# Altium PCB PCB1.PcbDoc (part 2 of 2)
Units mm, origin at the board's own origin, x right, y up, seen from the top; angles counter-clockwise.
Board outline 129.41 x 66.42 mm, 4 copper layers (Top Layer, gnd, pgnd, Bottom Layer), stack 0.603 mm thick; 116 components, 94 nets, 393 pads, 106 vias.
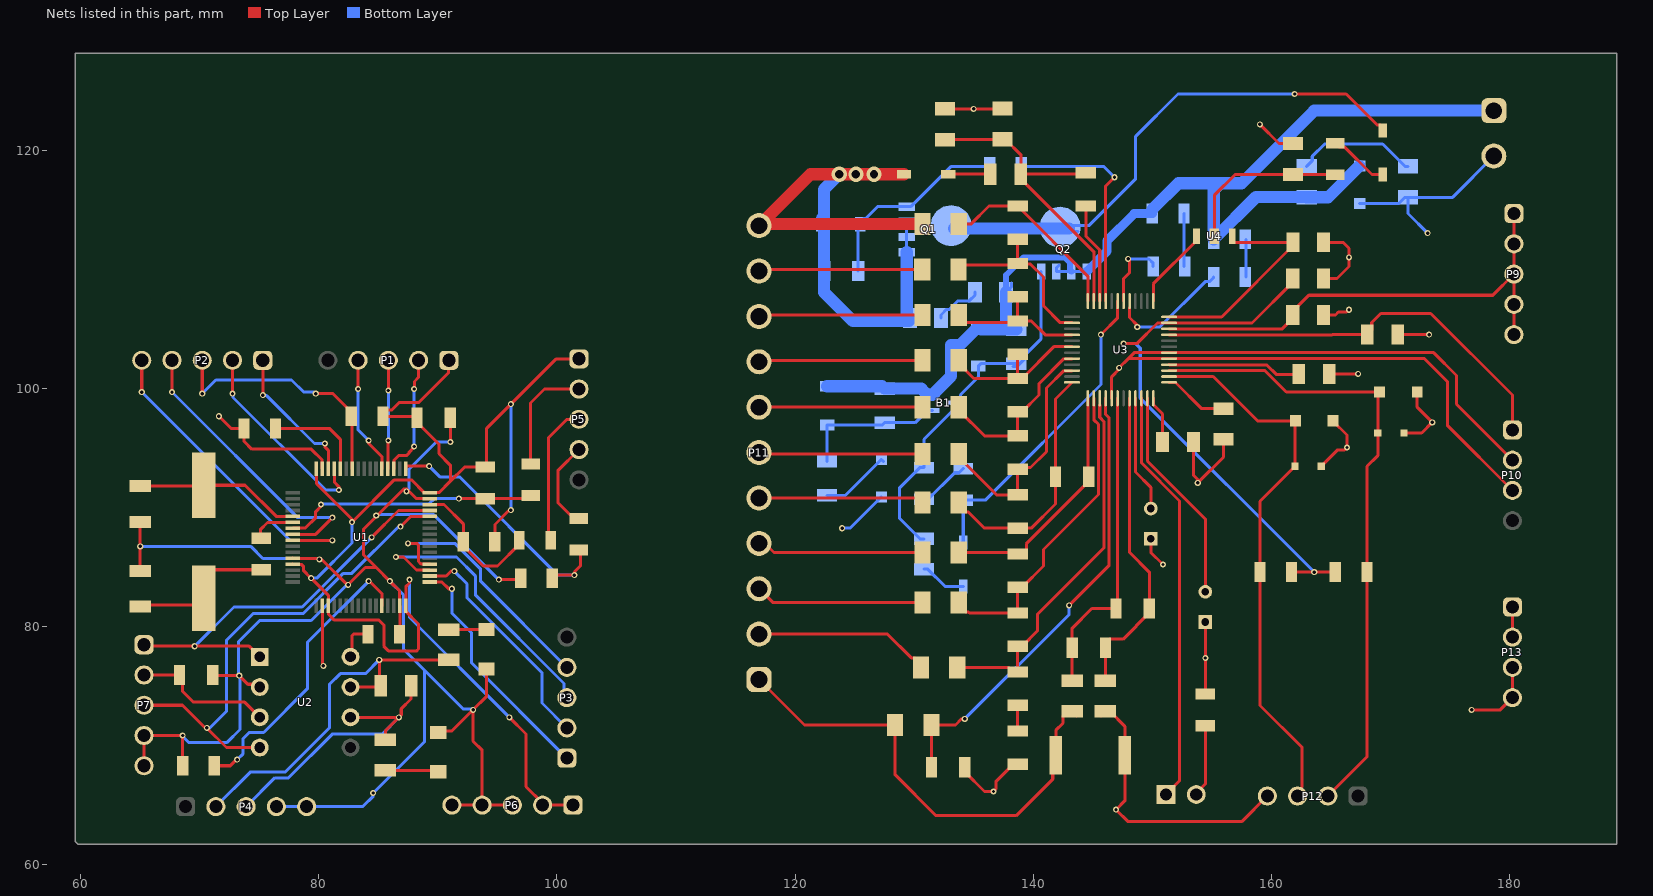
[diagram p4: the nets of this part, all layers, seen from the top]

## Via types
v1: diameter 0.508, hole 0.284, Top Layer to Bottom Layer, 78 vias
v2: diameter 1.27, hole 1.27, Top Layer to Bottom Layer, 25 vias
v3: diameter 1.27, hole 0.711, Top Layer to Bottom Layer, 3 vias

## Nets (pads, with @x,y where several pads share a name; then routed paths per layer and width w, separated by ;. In a path a pad name is that pad's centre, name@x,y a point inside that pad or via, vN(x,y) a via of type N, cw(c..) or ccw(c..) an arc to the next point about the centre after c; other vN are vias at no path point)
GND: C1.1 C2.2 C3.2 C4.2 C5.2 C6.1 C11.2 C13.1 C14.1 C15.1 C18.2 C19.1 C21.1 C31.2 C32.2 P4.4 P4.5 P6.3 P6.4 P6.5 P7.4 P7.5 P10.2 P10.3 P13.1 P13.2 P13.3 P13.4 R1.1 R4.1 R9.1 R14.1 R30.2 R33.2 R36.1 R39.1 R45.2 R50.1 U1.12 U1.18 U1.31 U1.47 U1.63 U2.2 U3.17 U3.29 U3.30 | length 313.3
  Top Layer w0.254: C3.2@65.024,84.812 v1(65.024,86.741) C2.2@65.024,88.797 ; P7.5@65.343,68.326 P7.4@65.343,70.866 v1(68.58,70.866) 68.58,68.341 R4.1@68.595,68.326 ; C6.1@71.123,75.946 71.181,75.888 v1(73.337,75.888) 74.057,75.168 74.819,75.168 U2.2@75.057,74.93 ; v1(71.628,97.663) 72.644,96.647 R1.1@73.731,96.647 73.731,95.56 74.393,94.898 79.384,94.898 80.293,93.988 80.293,93.276 U1.63@80.316,93.253 ; U1.12@77.816,85.753 77.839,85.73 79.993,85.73 80.03,85.693 v1(80.068,85.656) ; v1@80.068,85.73 80.187,85.73 82.4,83.517 v1(82.472,83.517) 83.918,84.963 84.836,84.963 ; U1.18@80.316,81.753 80.339,81.73 80.339,76.76 v1(80.391,76.708) ; v1(84.836,89.335) 84.836,89.244 83.747,88.155 83.747,86.052 84.836,84.963 ; v1@84.881,89.29 87.159,91.567 87.376,91.567 v1@87.477,91.466 ; R9.1@86.796,79.375 86.816,79.395 U1.31@86.816,81.753 86.793,81.776 86.793,83.006 v1(85.979,83.82) 84.836,84.963 ; v1(87.376,91.364) v1@87.477,91.466 ; U1.47@89.316,90.753 88.19,90.753 v1@87.477,91.466 ; C4.2@90.043,71.246 91.185,71.246 v1(92.964,73.025) ; v1(91.059,95.504) C1.1@91.059,97.536 C1.1@91.059,97.911 ; P6.5@91.186,65.024 P6.4@93.726,65.024 ; P6.4@93.726,65.005 P6.4@93.726,65.024 ; C5.2@94.107,76.456 94.107,74.168 v1(92.964,73.025) ; v1(95.123,83.947) 96.845,83.947 R14.1@96.972,84.074 ; P6.3@96.266,65.024 P6.4@93.726,65.024 ; C13.1@132.588,123.474 v1(134.986,123.474) 137.383,123.474 C11.2@137.414,123.505 ; C31.2@134.242,68.199 134.242,67.824 135.899,66.167 v1(136.652,66.167) 136.846,66.361 136.846,66.984 138.309,68.447 C32.2@138.684,68.447 ; U3.17@146.57,99.176 146.57,100.977 147.193,101.6 v1(147.193,101.727) 147.967,102.501 ; R36.1@149.86,87.376 149.86,86.233 v1(150.876,85.217) ; C15.1@153.446,95.504 153.446,92.701 153.797,92.35 v1(153.797,92.075) 155.956,94.234 R45.2@155.956,95.753 ; R50.1@154.432,74.351 v1(154.432,77.371) R39.1@154.432,80.391 ; v1(159.004,122.174) 160.625,120.553 C14.1@161.798,120.553 ; C18.2@164.344,112.268 165.989,112.268 166.497,111.76 v1(166.497,110.998) 166.497,110.236 165.481,109.22 C19.1@164.368,109.22 ; C21.1@164.368,106.172 165.354,106.172 165.595,106.413 166.303,106.413 v1(166.497,106.607) ; R33.2@164.846,101.219 v1(167.259,101.219) ; R30.2@170.566,104.521 v1(173.228,104.521) ; v1(176.784,73.025) 179.197,73.025 P13.4@180.213,74.041 P13.3@180.213,76.581 ; P13.2@180.213,79.121 P13.1@180.213,81.661 ; P10.3@180.213,91.44 174.752,96.901 174.752,100.584 172.835,102.501 U3.29@151.395,102.501 147.967,102.501 ; P10.2@180.213,93.98 175.514,98.679 175.514,101.092 173.605,103.001 U3.30@151.395,103.001 148.467,103.001 147.967,102.501 ; v1(92.964,73.025) 92.964,70.391 93.726,69.629 P6.4@93.726,65.024
  Bottom Layer w0.254: v1(65.024,86.741) 74.295,86.741 75.311,85.725 79.998,85.725 v1(80.068,85.656) ; v1(68.58,70.866) 68.58,70.797 68.903,70.475 68.903,70.47 69.082,70.291 72.323,70.291 73.394,71.362 73.394,75.831 v1(73.337,75.888) 73.279,75.946 73.279,78.74 75.057,80.518 79.375,80.518 82.374,83.517 v1(82.472,83.517) ; P4.4@76.454,64.897 P4.5@78.994,64.897 83.714,64.897 84.582,65.765 v1(84.582,66.04) 88.9,70.358 88.9,76.291 ; v1(84.836,89.335) 84.909,89.408 89.662,89.408 v1(95.123,83.947) ; v1(85.979,83.82) 87.122,82.677 87.122,78.13 ; 87.122,78.105 92.119,73.108 92.881,73.108 v1(92.964,73.025) ; v1(87.376,91.364) 87.57,91.558 87.57,93.195 89.879,95.504 v1(91.059,95.504)
NetB1_1: B1.1 D2.1 R17.1 R20.2 | length 12.4
  Bottom Layer w0.254: R20.2@122.682,93.883 D2.1@122.682,96.917 127.3,96.917 R17.1@127.508,97.125 130.08,97.125 131.111,98.156 B1.1@131.511,98.156
NetB1_2: B1.2 C8.2 C9.2 D1.2 D2.2 D4.2 P8.1 Q2.1 Q2.2 Q2.3 R16.2 R17.2 R18.2 R19.2 | length 96.8
  Bottom Layer w0.254: R17.2@127.3,100.187 R17.2@127.508,99.979 ; B1.2@131.111,99.456 B1.2@131.423,99.456 ; D1.2@135.382,105.14 D1.2@135.59,104.932 ; C8.2@137.698,108.077 138.173,108.552 C8.2@138.173,108.834 ; Q2.3@142.151,110.345 141.922,110.117 Q2.3@141.922,109.81 Q2.2@143.192,109.81 Q2.1@144.463,109.81 ; R18.2@149.987,114.681 R18.2@149.987,115.032 ; R19.2@154.787,113.191 155.138,112.84 R19.2@155.138,112.522 ; C9.2@162.911,116.078 C9.2@162.941,116.048 ; D4.2@167.361,118.669 D4.2@167.386,118.669
  Bottom Layer w0.508: C8.2@137.698,108.077 137.698,109.504 139.192,110.998 142.621,110.998 143.091,110.528 143.091,109.911 Q2.2@143.192,109.81
  Bottom Layer w0.762: Q2.1@144.463,109.81 146.177,111.524 146.177,112.395 148.463,114.681 R18.2@149.987,114.681
  Bottom Layer w1.016: D2.2@122.682,100.187 R17.2@127.3,100.187 ; R17.2@127.508,99.979 130.588,99.979 B1.2@131.111,99.456 ; B1.2@131.511,99.456 133.096,101.041 133.096,103.632 133.825,103.632 135.333,105.14 D1.2@135.382,105.14 ; D1.2@135.59,104.932 R16.2@138.557,104.932 137.698,105.791 C8.2@137.698,108.077 ; R18.2@149.987,115.032 152.176,117.221 155.733,117.221 ; R19.2@155.138,112.522 158.694,116.078 C9.2@162.911,116.078 ; R19.2@155.138,112.84 155.138,116.626 155.733,117.221 ; C9.2@162.941,116.048 164.74,116.048 D4.2@167.361,118.669 ; P8.1@178.651,123.317 163.576,123.317 157.48,117.221 155.733,117.221
NetB1_3: B1.3 D1.1 Q2.4 R16.1 R24.2 R25.2 | length 31.1
  Bottom Layer w0.254: R25.2@130.81,87.376 130.485,87.376 128.778,89.083 128.778,91.664 130.459,93.345 R24.2@130.81,93.345 130.81,95.731 133.455,98.376 B1.3@133.455,98.806 ; B1.3@133.411,98.806 133.811,98.806 133.884,98.879 133.884,99.462 135.382,100.96 D1.1@135.382,101.87 135.59,102.078 R16.1@138.557,102.078 ; R16.1@138.304,101.825 138.61,101.825 139.265,102.48 139.265,102.786 140.653,104.174 Q2.4@140.653,109.81
NetC1_2: C1.2 P1.1 P5.1 P6.1 P6.2 R2.2 R5.1 R7.2 U1.13 U1.19 U1.32 U1.48 U1.64 | length 118.3
  Top Layer w0.254: U1.13@77.816,85.253 77.839,85.23 78.551,85.23 78.743,85.038 78.743,84.693 v1@79.308,84.128 ; v1(79.375,84.074) 80.816,82.633 U1.19@80.816,81.753 80.839,81.73 80.839,81.018 81.279,80.577 85.031,80.577 85.471,80.137 85.471,78.359 85.852,77.978 88.243,77.978 88.392,78.127 88.392,80.227 87.316,81.303 U1.32@87.316,81.753 87.316,83.358 87.63,83.672 v1(87.63,83.947) ; U1.64@79.816,93.253 79.816,92.002 82.804,89.014 v1(82.804,88.773) 86.357,92.326 87.101,92.326 87.793,92.326 88.866,91.253 U1.48@89.316,91.253 90.11,91.253 91.059,92.202 ; P1.1@90.932,102.362 91.059,102.235 90.916,102.092 90.916,101.33 88.392,98.806 86.741,98.806 86.11,98.175 85.751,98.175 85.4,97.824 R2.2@85.4,97.663 88.132,97.663 C1.2@88.259,97.536 88.259,97.161 90.097,95.323 90.097,94.524 91.059,93.562 91.059,92.202 ; R5.1@93.319,93.218 R5.1@93.502,93.401 ; R5.1@93.98,93.401 R5.1@93.502,93.401 ; R7.2@94.798,87.122 94.798,88.578 v1@96.007,89.787 ; v1(96.012,72.39) 97.406,70.996 97.406,66.57 98.806,65.17 P6.2@98.806,65.024 P6.1@101.346,65.024 P6.1@101.473,65.024 ; P5.1@101.854,102.489 99.949,102.489 v1(96.139,98.679) 94.107,96.647 94.107,93.655 93.756,93.655 R5.1@93.502,93.401 ; 91.059,92.202 92.258,93.401 R5.1@93.502,93.401
  Bottom Layer w0.254: v1(79.375,84.074) 79.846,84.074 82.804,87.032 v1(82.804,88.773) ; v1(87.63,83.947) 87.63,80.772 v1(96.012,72.39) ; v1(96.139,89.787) v1(96.139,98.679)
NetC2_1: C2.1 U1.5 X1.2 | length 13.9
  Top Layer w0.254: C2.1@65.024,91.797 70.283,91.797 X1.2@70.358,91.872 73.825,91.872 76.436,89.261 U1.5@77.816,89.261
NetC3_1: C3.1 R3.1 X1.1 | length 12.3
  Top Layer w0.254: C3.1@65.024,81.812 69.798,81.812 X1.1@70.358,82.372 70.358,83.907 71.231,84.78 R3.1@75.184,84.78
NetC4_1: C4.1 R11.2 | length 4.4
  Top Layer w0.254: R11.2@85.598,67.94 C4.1@90.043,67.94
NetC5_1: C5.1 R12.2 | length 3.2
  Top Layer w0.254: R12.2@90.932,79.756 C5.1@94.107,79.756
NetC6_2: C6.2 P7.2 U2.3 | length 12
  Top Layer w0.254: P7.2@65.027,75.946 P7.2@65.343,75.946 ; P7.2@65.659,75.946 P7.2@65.343,75.946 ; 67.815,75.946 P7.2@65.343,75.946 ; C6.2@68.323,75.946 68.58,75.689 68.58,74.571 69.491,73.66 73.787,73.66 U2.3@75.057,72.39
NetC7_1: C7.1 D3.2 D8.1 P11.11 Q1.1 Q1.2 Q1.3 R15.2 R29.1 | length 54.8
  Top Layer w1.016: P11.11@116.967,113.665 P11.11@117.094,113.792 ; P11.11@116.967,113.792 P11.11@117.094,113.792 ; D8.1@129.142,117.983 v3(126.619,117.983) v3(125.095,117.983) v3(123.698,117.983) 121.285,117.983 P11.11@117.094,113.792 ; R29.1@130.679,113.792 P11.11@117.094,113.792
  Bottom Layer w0.254: C7.1@129.368,106.187 C7.1@129.637,105.918 ; Q1.1@129.368,111.442 Q1.2@129.368,112.712 Q1.3@129.368,113.983
  Bottom Layer w1.016: D3.2@122.19,113.743 122.428,113.505 R15.2@122.428,109.855 122.428,108.077 124.841,105.664 129.543,105.664 129.637,105.758 C7.1@129.637,105.918 ; D3.2@122.19,113.792 122.243,113.845 122.243,114.267 122.428,114.452 122.428,116.713 v3(123.698,117.983) ; C7.1@129.368,106.187 Q1.1@129.368,111.442
NetC7_2: C7.2 C8.1 | length 4
  Bottom Layer w0.254: C7.2@132.237,105.918 132.237,106.169 132.712,106.644 132.963,106.644 133.67,107.351 134.623,107.351 135.098,107.826 C8.1@135.098,108.077
NetC9_1: C9.1 C10.2 | length 10.3
  Bottom Layer w0.254: C9.1@162.941,118.648 163.408,119.115 163.408,119.482 164.449,120.523 169.324,120.523 171.199,118.648 C10.2@171.45,118.648
NetC11_1: C11.1 C12.1 C13.2 R28.2 U3.47 | length 27.2
  Top Layer w0.254: C13.2@132.588,120.904 C11.1@137.414,120.904 137.665,120.904 138.943,119.626 R28.2@138.943,117.983 ; C12.1@144.399,118.116 144.266,117.983 R28.2@138.943,117.983 ; U3.47@145.07,107.326 145.07,111.481 138.943,117.608 R28.2@138.943,117.983
NetC12_2: C12.2 U3.46 | length 8.5
  Top Layer w0.254: C12.2@144.399,115.316 144.399,112.794 145.57,111.623 U3.46@145.57,107.326
NetC14_2: C14.2 R27.1 U4.2 | length 14.3
  Top Layer w0.254: U4.2@155.194,112.777 155.194,116.205 156.942,117.953 C14.2@161.798,117.953 165.329,117.953 R27.1@165.354,117.928
NetC15_2: C15.2 U3.24 | length 4
  Top Layer w0.254: U3.24@150.07,99.176 150.07,98.646 150.846,97.87 C15.2@150.846,95.504
NetC16_1: C16.1 R29.2 U3.48 | length 16.4
  Top Layer w0.254: R29.2@133.731,113.792 134.747,113.792 136.273,115.317 C16.1@138.68,115.317 ; C16.1@139.055,115.317 C16.1@138.68,115.317 ; U3.48@144.57,107.326 144.57,109.428 C16.1@138.68,115.317
NetC16_2: C16.2 C17.1 R31.2 U3.2 | length 15.9
  Top Layer w0.254: R31.2@134.232,109.475 R31.2@133.727,109.98 134.111,110.364 C17.1@138.684,110.364 ; C16.2@138.68,112.517 C17.1@138.68,110.491 138.745,110.427 139.763,110.427 140.843,109.347 140.843,106.934 142.255,105.522 U3.2@143.245,105.522
NetC17_2: C17.2 C20.1 R32.2 U3.4 | length 13.1
  Top Layer w0.254: R32.2@134.235,106.675 R32.2@133.73,106.17 133.73,106.09 134.281,105.538 138.558,105.538 C20.1@138.684,105.664 ; C17.2@138.68,107.691 C20.1@138.68,105.665 139.826,105.665 140.99,104.501 U3.4@143.245,104.501
NetC18_1: C18.1 U3.36 U4.3 | length 18.7
  Top Layer w0.254: U3.36@151.395,106.001 155.801,106.001 161.792,111.992 C18.1@161.792,112.268 156.842,112.268 156.694,112.416 U4.3@156.694,112.777
NetC19_2: C19.2 R41.2 R42.2 U3.35 | length 46.7
  Top Layer w0.254: v1(147.574,103.759) 148.68,103.759 150.422,105.501 158.349,105.501 161.768,108.92 C19.2@161.768,109.22 ; R42.2@161.671,84.582 v1(163.576,84.582) R41.2@165.354,84.582
  Bottom Layer w0.254: v1(147.574,103.759) 148.59,103.759 148.971,103.378 148.971,99.187 v1(163.576,84.582)
NetC20_2: C20.2 C22.1 R34.2 U3.6 | length 14.1
  Top Layer w0.254: R34.2@134.241,101.849 R34.2@133.73,102.36 133.73,102.109 135.001,100.838 C22.1@138.684,100.838 ; C20.2@138.68,102.865 138.684,102.862 C22.1@138.684,100.841 139.059,100.841 141.719,103.501 U3.6@143.245,103.501
NetC21_2: C21.2 P9.1 P9.2 P9.3 P9.4 P9.5 U3.34 | length 41.4
  Top Layer w0.254: U3.34@151.395,105.001 160.897,105.001 161.768,105.872 C21.2@161.768,106.172 161.768,106.472 163.119,107.823 178.562,107.823 P9.3@180.34,109.601 ; P9.5@180.34,104.521 P9.1@180.34,114.681
NetC22_2: C22.2 C23.1 R35.2 U3.8 | length 15.1
  Top Layer w0.254: R35.2@133.733,98.425 133.733,98.174 135.889,96.018 C23.1@138.684,96.018 C22.2@138.684,98.041 139.059,98.041 140.462,99.444 140.462,100.403 142.54,102.48 U3.8@143.245,102.48
NetC23_2: C23.2 C24.1 R37.2 U3.10 | length 19.8
  Top Layer w0.254: R37.2@133.733,94.488 133.733,94.237 136.905,91.065 C24.1@138.684,91.065 C23.2@138.684,93.218 138.826,93.36 139.766,93.36 141.097,94.691 141.097,100.038 142.54,101.48 U3.10@143.245,101.48
NetC24_2: C24.2 C25.1 R40.2 U3.12 | length 20.8
  Top Layer w0.254: R40.2@133.735,90.424 133.735,90.173 134.286,89.622 134.537,89.622 135.894,88.265 C24.2@138.684,88.265 139.827,88.265 141.859,90.297 141.859,92.583 141.859,99.115 U3.12@143.245,100.501
NetC25_2: C25.2 C28.1 R44.2 U3.13 | length 20.8
  Top Layer w0.254: R44.2@133.731,86.233 138.56,86.233 C28.1@138.684,86.109 139.059,86.109 139.407,86.457 139.407,86.959 144.656,92.208 C25.2@144.656,92.583 ; U3.13@144.57,99.176 144.57,92.71 C25.2@144.697,92.583
NetC26_1: C26.1 C27.1 R47.2 U3.18 | length 26.5
  Top Layer w0.254: R47.2@143.256,75.443 143.253,75.446 C27.1@143.253,78.232 143.253,79.88 144.907,81.534 C26.1@146.936,81.534 147.07,81.668 U3.18@147.07,99.176
NetC26_2: C26.2 C27.2 R38.2 U3.20 | length 26.6
  Top Layer w0.254: R38.2@146.05,75.443 146.053,75.446 C27.2@146.053,78.232 146.053,78.607 146.401,78.955 147.532,78.955 149.736,81.159 C26.2@149.736,81.534 149.736,84.579 148.07,86.245 U3.20@148.07,99.176
NetC28_2: C28.2 C29.1 R46.2 U3.14 | length 26.7
  Top Layer w0.254: R46.2@133.731,82.042 133.731,81.791 134.282,81.24 134.533,81.24 134.617,81.156 C29.1@138.684,81.156 C28.2@138.684,83.309 139.059,83.309 140.843,85.093 140.843,86.481 145.458,91.096 145.458,96.982 145.07,97.37 U3.14@145.07,99.176
NetC29_2: C29.2 C30.1 R48.2 U3.15 | length 31
  Top Layer w0.254: R48.2@133.604,76.581 137.931,76.581 138.309,76.203 C30.1@138.684,76.203 C29.2@138.684,78.356 139.059,78.356 140.335,79.632 140.335,81.02 145.912,86.597 145.912,97.23 145.57,97.572 U3.15@145.57,98.625
NetC30_2: C30.2 C32.1 | length 2.2
  Top Layer w0.254: C32.1@138.684,71.247 C30.2@138.684,73.403
NetC31_1: C31.1 R49.2 U3.16 | length 38.6
  Top Layer w0.254: C31.1@131.442,68.199 131.447,68.204 R49.2@131.447,71.755 133.456,71.755 133.964,72.263 v1(134.239,72.263) ; v1(143.002,81.788) 146.366,85.152 146.366,97.52 146.07,97.816 U3.16@146.07,99.176
  Bottom Layer w0.254: v1(134.239,72.263) 143.002,81.026 v1(143.002,81.788)
NetD3_1: D3.1 Q1.4 R15.1 R23.2 | length 17
  Bottom Layer w0.254: R15.1@125.282,109.855 125.282,113.614 D3.1@125.46,113.792 125.46,113.947 125.788,114.275 125.943,114.275 126.921,115.252 Q1.4@129.368,115.252 129.699,115.252 133.064,118.618 R23.2@136.342,118.618
NetD5_2: D5.2 R20.1 | length 6
  Bottom Layer w0.254: R20.1@122.682,91.029 124.227,91.029 127.229,94.031 D5.2@127.254,94.031 D5.2@127.402,93.883
NetD6_1: D6.1 R25.1 | length 3.9
  Bottom Layer w0.254: R25.1@130.81,84.826 131.135,84.826 132.594,83.367 D6.1@134.112,83.367
NetD6_2: D6.2 R26.1 U3.43 | length 26.7
  Top Layer w0.254: v1(145.669,104.521) 147.07,105.922 U3.43@147.07,107.326
  Bottom Layer w0.254: D6.2@134.112,87.067 R26.1@134.112,90.622 135.964,90.622 145.669,100.327 v1(145.669,104.521)
NetD7_1: D7.1 Q1.5-6-7-8 Q2.5-6-7-8 | length 45.5
  Top Layer w0.254: v1(161.925,124.714) 166.26,124.714 168.845,122.129 169.095,122.129 169.319,121.906 D7.1@169.319,121.656
  Bottom Layer w0.254: Q1.5-6-7-8@133.096,113.665 Q1.5-6-7-8@133.35,113.411 ; Q2.5-6-7-8@142.748,113.665 144.653,113.665 148.59,117.602 148.59,121.158 152.146,124.714 v1(161.925,124.714) ; Q2.5-6-7-8@143.002,113.411 143.256,113.157 Q2.5-6-7-8@143.727,113.157
  Bottom Layer w1.016: Q1.5-6-7-8@133.35,113.411 Q2.5-6-7-8@143.002,113.411
NetD7_2: D7.2 R27.2 | length 5.1
  Top Layer w0.254: R27.2@165.354,120.578 165.677,120.255 166.13,120.255 168.429,117.956 D7.2@169.319,117.956
NetD8_2: D8.2 R28.1 | length 3.6
  Top Layer w0.254: D8.2@132.842,117.983 R28.1@136.393,117.983
NetD9_2: D9.2 D11.2 P12.2 R41.1 U3.27 | length 54.1
  Top Layer w0.254: U3.27@151.395,101.501 159.429,101.501 161.235,99.695 D11.2@169.062,99.695 168.91,99.543 D9.2@168.91,96.266 168.91,94.361 168.006,93.457 R41.1@168.006,84.582 168.006,69.073 P12.2@164.719,65.786
NetD10_2: D10.2 D12.2 P12.3 R42.1 U3.26 | length 46.5
  Top Layer w0.254: U3.26@151.395,101.001 155.095,101.001 158.814,97.282 D12.2@162.001,97.282 161.968,97.249 D10.2@161.968,93.472 159.019,90.523 R42.1@159.019,84.582 159.019,73.391 162.56,69.85 162.56,66.531 162.179,66.15 P12.3@162.179,65.786
NetJ1_1: J1.1 U3.22 | length 35.1
  Top Layer w0.254: U3.22@149.07,99.176 149.07,93.754 152.273,90.551 152.273,67.056 J1.1@151.13,65.913
NetJ1_2: J1.2 R50.2 | length 6.1
  Top Layer w0.254: J1.2@153.67,65.913 153.67,66.038 154.432,66.8 R50.2@154.432,71.699
NetP1_2: P1.2 U1.51 | length 10.4
  Top Layer w0.254: U1.51@86.316,93.253 86.339,93.276 86.339,93.846 86.339,93.988 86.74,94.39 87.405,94.39 87.603,94.588 87.603,94.646 88.011,95.054 v1(88.011,95.123) ; v1(88.011,99.949) 88.044,99.982 88.044,100.584 88.392,100.932 P1.2@88.392,102.362
  Bottom Layer w0.254: v1(88.011,95.123) v1(88.011,99.949)
NetP1_3: P1.3 U1.52 | length 9.1
  Top Layer w0.254: U1.52@85.816,93.253 85.816,95.595 v1(85.852,95.631) ; v1(85.852,99.822) P1.3@85.852,102.362
  Bottom Layer w0.254: v1(85.852,95.631) v1(85.852,99.822)
NetP1_4: P1.4 U1.53 | length 10
  Top Layer w0.254: v1(83.312,99.949) P1.4@83.312,102.362 ; v1(84.201,95.631) 84.201,95.377 85.339,94.239 85.339,93.276 U1.53@85.316,93.253
  Bottom Layer w0.254: v1(83.312,99.949) 83.312,96.52 v1(84.201,95.631)
NetP2_1: P2.1 U1.62 | length 12.1
  Top Layer w0.254: v1(75.311,99.441) P2.1@75.311,102.362 ; v1(80.518,95.377) 80.518,95.102 80.816,94.804 U1.62@80.816,93.253
  Bottom Layer w0.254: v1(75.311,99.441) 75.36,99.392 75.635,99.392 79.65,95.377 v1(80.518,95.377)
NetP2_2: P2.2 U1.61 | length 17.2
  Top Layer w0.254: v1(72.771,99.568) P2.2@72.771,102.362 ; U1.61@81.316,93.253 81.316,92.137 81.699,91.753 v1(81.699,91.478)
  Bottom Layer w0.254: v1(72.771,99.568) 72.82,99.519 72.82,99.244 80.586,91.478 v1(81.699,91.478)
NetP2_3: P2.3 R2.1 U1.58 | length 21.6
  Top Layer w0.254: v1(70.231,99.568) P2.3@70.231,102.362 ; v1(79.756,99.568) 81.194,99.568 82.748,98.014 R2.1@82.748,97.663 ; U1.58@82.816,93.253 R2.1@82.816,97.604
  Bottom Layer w0.254: v1(70.231,99.568) 71.374,100.711 77.724,100.711 78.74,99.695 79.629,99.695 v1(79.756,99.568)
NetP2_4: P2.4 U1.8 | length 24.4
  Top Layer w0.254: v1(67.691,99.695) P2.4@67.691,102.362 ; U1.8@77.816,87.753 79.752,87.753 81.147,89.148 v1(81.158,89.148)
  Bottom Layer w0.254: v1(67.691,99.695) 78.238,89.148 v1(81.158,89.148)
NetP2_5: P2.5 U1.9 | length 27.2
  Top Layer w0.254: v1(65.151,99.695) P2.5@65.151,102.362 ; U1.9@77.816,87.253 77.82,87.249 v1(81.153,87.249)
  Bottom Layer w0.254: v1(65.151,99.695) 77.597,87.249 v1(81.153,87.249)
NetP3_1: P3.1 U1.33 | length 20.3
  Top Layer w0.254: U1.33@89.316,83.753 90.343,83.753 90.911,83.185 v1(91.186,83.185)
  Bottom Layer w0.254: v1(91.186,83.185) 91.186,81.153 92.837,79.502 92.837,76.962 P3.1@100.838,68.961
NetP3_2: P3.2 U1.34 | length 19.3
  Top Layer w0.254: U1.34@89.316,84.253 90.709,84.253 91.12,84.664 v1(91.395,84.664)
  Bottom Layer w0.254: v1(91.395,84.664) 92.456,83.603 92.456,82.423 98.742,76.137 98.742,73.596 P3.2@100.838,71.501
NetP3_3: P3.3 U1.35 | length 24
  Top Layer w0.254: v1(86.487,85.852) 87.116,85.852 88.214,84.753 U1.35@89.316,84.753
  Bottom Layer w0.254: v1(86.487,85.852) 91.567,85.852 93.152,84.267 93.152,82.673 100.603,75.222 100.603,74.276 P3.3@100.838,74.041
NetP3_4: P3.4 U1.36 | length 21.3
  Top Layer w0.254: 87.757,86.995 88.24,86.995 88.389,86.846 88.389,85.468 88.581,85.276 89.293,85.276 U1.36@89.316,85.253
  Bottom Layer w0.254: v1(87.503,86.995) 91.433,86.995 93.606,84.822 93.606,83.813 P3.4@100.838,76.581
NetP4_2: P4.2 R6.1 R12.1 U2.7 | length 31.6
  Top Layer w0.254: U2.7@82.677,74.93 85.085,74.93 R6.1@85.212,75.057 85.09,75.179 v1(85.09,77.216) R12.1@90.932,77.216
  Bottom Layer w0.254: P4.2@71.374,64.897 74.295,67.818 77.216,67.818 80.899,71.501 80.899,75.14 81.82,76.061 83.935,76.061 v1(85.09,77.216)
NetP4_3: P4.3 R6.2 R11.1 U2.6 | length 25.5
  Top Layer w0.254: U2.6@82.677,72.39 v1(86.741,72.39) ; R11.1@85.598,70.49 85.598,71.247 v1(86.741,72.39) ; R6.2@87.762,75.057 87.76,75.055 87.76,73.925 86.935,73.1 86.935,72.584 v1(86.741,72.39)
  Bottom Layer w0.254: P4.3@73.914,64.897 76.327,67.31 77.47,67.31 81.141,70.981 85.332,70.981 v1(86.741,72.39)
NetP5_2: P5.2 R8.1 | length 9.7
  Top Layer w0.254: R8.1@97.79,93.654 97.79,98.784 98.955,99.949 P5.2@101.854,99.949
NetP5_3: P5.3 R10.2 | length 12
  Top Layer w0.254: R10.2@99.496,87.249 99.314,87.431 99.314,95.885 100.822,97.393 101.584,97.393 101.727,97.536 P5.3@101.854,97.409
NetP5_4: P5.4 R13.2 | length 7.7
  Top Layer w0.254: P5.4@101.854,94.869 100.076,93.091 100.076,90.424 101.095,89.405 101.531,89.405 R13.2@101.981,88.955
NetP7_1: P7.1 U1.45 U2.1 | length 34.6
  Top Layer w0.254: P7.1@65.343,78.486 65.47,78.359 v1(69.596,78.359) 74.168,78.359 U2.1@75.057,77.47 ; v1(84.455,87.503) 86.705,89.753 U1.45@89.316,89.753
  Bottom Layer w0.254: v1(69.596,78.359) 72.898,81.661 78.613,81.661 v1(84.455,87.503)
NetP7_3: P7.3 U1.44 U2.4 | length 41.2
  Top Layer w0.254: P7.3@65.343,73.406 68.58,73.406 v1@70.549,71.438 ; v1(70.612,71.501) 72.263,69.85 U2.4@75.057,69.85 ; v1(86.868,88.392) 87.729,89.253 U1.44@89.316,89.253 U1.44@89.789,89.253
  Bottom Layer w0.254: v1(70.612,71.501) 70.866,71.501 72.263,72.898 72.263,78.867 74.486,81.09 78.684,81.09 82.073,84.479 82.792,84.479 86.704,88.392 v1(86.868,88.392)
NetP10_1: P10.1 R30.1 U3.33 | length 35.7
  Top Layer w0.254: U3.33@151.395,104.501 165.08,104.501 165.1,104.521 R30.1@168.016,104.521 168.404,104.909 168.404,105.539 169.164,106.299 173.355,106.299 180.213,99.441 P10.1@180.213,96.52
NetP11_1: P11.1 R43.1 R47.1 R49.1 | length 40.2
  Top Layer w0.254: P11.1@116.967,75.565 120.777,71.755 R49.1@128.395,71.755 128.395,67.566 131.826,64.135 138.557,64.135 141.626,67.204 141.626,68.961 R43.1@141.88,69.215 141.88,71.302 142.483,71.905 142.483,72.495 142.881,72.893 R47.1@143.256,72.893 R47.1@143.628,72.521
NetP11_2: P11.2 R48.1 | length 14.9
  Top Layer w0.254: P11.2@116.967,79.375 127.758,79.375 129.75,77.383 130.001,77.383 130.552,76.832 R48.1@130.552,76.581
NetP11_3: P11.3 R46.1 | length 14.5
  Top Layer w0.254: P11.3@117.256,83.185 P11.3@116.967,83.185 118.11,82.042 R46.1@130.679,82.042
NetP11_4: P11.4 R44.1 | length 14
  Top Layer w0.254: P11.4@116.967,86.995 117.467,86.995 118.229,86.233 R44.1@130.679,86.233
NetP11_5: P11.5 R40.1 | length 13.9
  Top Layer w0.254: P11.5@116.967,90.805 130.302,90.805 R40.1@130.683,90.424
NetP11_6: P11.6 R37.1 | length 13.7
  Top Layer w0.254: P11.6@116.967,94.488 R37.1@130.681,94.488
NetP11_7: P11.7 R35.1 | length 13.7
  Top Layer w0.254: P11.7@116.967,98.425 R35.1@130.681,98.425
NetP11_8: P11.8 R34.1 | length 13.7
  Top Layer w0.254: P11.8@116.967,102.36 R34.1@130.677,102.36
NetP11_9: P11.9 R32.1 | length 13.7
  Top Layer w0.254: P11.9@116.967,106.17 R32.1@130.677,106.17
NetP11_10: P11.10 R31.1 | length 13.7
  Top Layer w0.254: P11.10@116.967,109.98 R31.1@130.675,109.98
NetR1_2: R1.2 U1.60 | length 8.3
  Top Layer w0.254: R1.2@76.383,96.647 80.899,96.647 81.816,95.73 U1.60@81.816,93.253
NetR3_2: R3.2 U1.6 | length 3.7
  Top Layer w0.254: R3.2@75.184,87.432 75.101,87.515 75.101,88.142 75.712,88.753 U1.6@77.816,88.753
NetR4_2: R4.2 U1.28 | length 25
  Top Layer w0.254: R4.2@71.247,68.326 72.582,68.326 73.09,68.834 v1(73.152,68.834) ; v1(84.201,83.82) 84.27,83.82 85.316,82.774 U1.28@85.316,81.753
  Bottom Layer w0.254: v1(73.152,68.834) 73.66,69.342 73.66,70.612 74.168,71.12 74.93,71.12 75.386,71.12 79.046,74.779 79.046,78.665 v1(84.201,83.82)
NetR5_2: R5.2 R8.2 U1.7 | length 21.4
  Top Layer w0.254: U1.7@77.816,88.253 77.839,88.276 78.878,88.276 79.756,89.154 79.756,89.66 80.197,90.101 v1(80.197,90.26) ; v1(91.765,90.749) 97.535,90.749 R8.2@97.79,91.004
  Bottom Layer w0.254: v1(80.197,90.26) 80.251,90.314 89.27,90.314 89.704,90.749 v1@91.638,90.749
NetR7_1: R7.1 R10.1 U1.46 | length 11.8
  Top Layer w0.254: U1.46@89.316,90.253 90.529,90.253 92.146,88.636 R7.1@92.146,87.122 92.146,86.771 93.827,85.09 94.569,85.09 95.012,85.09 96.846,86.924 R10.1@96.846,87.249
NetR9_2: R9.2 U2.8 | length 3.4
  Top Layer w0.254: U2.8@82.677,77.47 82.804,77.597 82.804,79.248 82.931,79.375 R9.2@84.146,79.375 R9.2@84.345,79.375
NetR13_1: R13.1 R14.2 U1.49 | length 22.3
  Top Layer w0.254: U1.49@87.316,93.253 87.316,93.449 87.339,93.472 v1(89.281,93.472) ; R14.2@99.624,84.074 99.878,84.328 v1(101.473,84.328) 101.473,84.603 101.981,85.111 R13.1@101.981,86.305
  Bottom Layer w0.254: v1(89.281,93.472) 90.17,92.583 91.821,92.583 100.076,84.328 v1(101.473,84.328)
NetR18_1: R18.1 R21.2 | length 4.5
  Bottom Layer w0.254: R18.1@152.639,114.681 152.654,114.666 R21.2@152.654,110.236
NetR19_1: R19.1 R22.2 | length 3.2
  Bottom Layer w0.254: R22.2@157.861,109.347 R19.1@157.861,112.522
NetR21_1: R21.1 U3.42 | length 6.3
  Top Layer w0.254: U3.42@147.57,107.326 147.57,108.454 147.574,108.458 147.574,109.22 148.082,109.728 148.082,110.744 v1(147.955,110.871)
  Bottom Layer w0.254: v1(147.955,110.871) 149.707,110.871 150.058,110.52 R21.1@150.058,110.236
NetR22_1: R22.1 U3.41 | length 10.1
  Top Layer w0.254: U3.41@148.07,106.776 148.07,105.946 148.717,105.299 v1(148.717,105.156)
  Bottom Layer w0.254: v1(148.717,105.156) 148.732,105.171 150.637,105.171 154.428,108.962 154.787,108.962 155.138,109.313 R22.1@155.138,109.347
NetR23_1: R23.1 U3.45 | length 18.9
  Top Layer w0.254: U3.45@146.07,107.326 146.07,116.987 v1(146.812,117.729)
  Bottom Layer w0.254: R23.1@138.994,118.618 145.923,118.618 v1(146.812,117.729)
NetR24_1: R24.1 R26.2 | length 4.4
  Bottom Layer w0.254: R24.1@130.81,90.693 131.161,90.693 133.391,92.923 133.761,92.923 R26.2@134.112,93.274
NetR33_1: R33.1 U3.28 | length 11.2
  Top Layer w0.254: U3.28@151.395,102.001 151.416,101.98 151.988,101.98 152.013,101.955 159.617,101.955 160.419,101.153 R33.1@162.24,101.153
NetR36_2: R36.2 U3.21 | length 9.8
  Top Layer w0.254: U3.21@148.57,99.176 148.57,92.984 149.86,91.694 R36.2@149.86,89.916
NetR39_2: R39.2 U3.23 | length 18.3
  Top Layer w0.254: U3.23@149.57,99.176 149.57,93.896 154.432,89.034 R39.2@154.432,82.931
NetR45_1: R45.1 U3.25 | length 5.5
  Top Layer w0.254: U3.25@151.395,100.501 151.925,100.501 154.123,98.303 R45.1@155.956,98.303
NetU3_37: U3.37 U4.1 | length 7
  Top Layer w0.254: U3.37@150.07,107.326 150.07,108.778 153.694,112.402 U4.1@153.694,112.777
PGND: C10.1 D4.1 D5.1 D9.1 D10.1 D11.1 D12.1 P8.2 P12.4 R38.1 R43.2 | length 56.3
  Top Layer w0.254: R38.1@145.678,72.521 R38.1@146.05,72.893 146.425,72.893 147.68,71.638 R43.2@147.68,69.215 147.68,65.384 v1(146.939,64.643) 147.955,63.627 157.48,63.627 P12.4@159.639,65.786 ; D10.1@164.168,93.472 165.543,94.847 166.13,94.847 v1(166.325,95.041) 166.325,96.083 165.151,97.257 D12.1@165.151,97.282 ; D9.1@171.11,96.266 172.593,96.266 v1(173.482,97.155) 172.212,98.425 D11.1@172.212,99.695
  Bottom Layer w0.254: v1(123.952,88.265) 124.613,88.265 127.229,90.881 D5.1@127.254,90.881 ; D4.1@167.386,115.519 170.67,115.519 171.199,116.048 C10.1@171.45,116.048 ; v1(173.101,113.03) 171.45,114.681 C10.1@171.45,116.048 ; P8.2@178.651,119.507 175.192,116.048 C10.1@171.45,116.048
pads on no net: P1.5 P3.5 P4.1 P5.5 P10.4 P12.1 U1.1 U1.2 U1.3 U1.4 U1.10 U1.11 U1.14 U1.15 U1.16 U1.17 U1.20 U1.21 U1.22 U1.23 U1.24 U1.25 U1.26 U1.27 U1.29 U1.30 U1.37 U1.38 U1.39 U1.40 U1.41 U1.42 U1.43 U1.50 U1.54 U1.55 U1.56 U1.57 U1.59 U2.5 U3.1 U3.3 U3.5 U3.7 U3.9 U3.11 U3.19 U3.31 U3.32 U3.38 U3.39 U3.40 U3.44
copper on no net:
  other v2: 108.839,64.008 108.839,66.802 108.839,69.469 108.839,72.136 108.839,74.676 108.839,77.343 108.839,80.01 108.839,82.55 108.839,85.217 108.839,87.884 108.839,90.424 108.839,92.964 108.839,95.504 108.839,98.044 108.839,100.584 108.839,103.124 108.839,105.664 108.839,108.204 108.839,110.744 108.839,113.284 108.839,115.824 108.839,118.237 108.839,120.777 108.839,123.317 108.839,125.984

## Polygon pours and split planes (outlines as drawn)
GND on gnd (split plane): 188.466,62.232 60.073,62.232 60.073,127.633 188.466,127.633
PGND on pgnd (split plane): 188.466,62.232 60.073,62.232 60.073,127.633 188.466,127.633

## Other copper
Top Layer:
  text "REG2" at 182.626,109.22 h0.76
  text "REG1" at 91.313,104.521 h0.76 r90
  text "SCL" at 73.152,104.394 h0.76 r90
  text "SDA" at 75.692,104.394 h0.76 r90
  text "DFETOFF" at 83.693,104.394 h0.76 r90
  text "CFETOFF" at 86.233,104.394 h0.76 r90
  text "R_SHUT" at 88.646,104.394 h0.76 r90
  text "ADC2" at 65.515,104.336 h0.76 r90
  text "ADC1" at 68.055,104.336 h0.76 r90
  text "ALERT" at 70.595,104.336 h0.76 r90
  text "3.3V" at 103.632,101.981 h0.76
  text "RST" at 103.632,99.568 h0.76
  text "PA13" at 103.632,97.028 h0.76
  text "RST_SHUT" at 182.118,96.139 h0.76
  text "PA14" at 103.632,94.488 h0.76
  text "DFETOFF" at 182.118,93.599 h0.76
  text "CFETOFF" at 182.118,90.932 h0.76
  text "TXD" at 61.341,78.105 h0.76
  text "GND" at 182.499,77.597 h0.76
  text "4" at 103.251,76.2 h0.76
  text "REG2" at 60.706,75.565 h0.76
  text "3" at 103.251,73.66 h0.76
  text "RXD" at 61.341,73.025 h0.76
  text "2" at 103.251,70.993 h0.76
  text "GND" at 61.468,69.342 h0.76
  text "1" at 103.378,68.707 h0.76
  text "GPIO" at 102.87,67.564 h0.76
  text "PGND" at 158.826,63.195 h0.51
  text "SCL" at 161.29,63.119 h0.76
  text "SDA" at 163.83,63.119 h0.76
  text "GND" at 92.71,62.484 h0.76
  text "3.3V" at 98.806,62.484 h0.76
  text "CAN" at 67.818,62.357 h0.76
  text "H" at 71.12,62.357 h0.76
  text "L" at 73.533,62.357 h0.76
  text "GND" at 76.708,62.357 h0.76